# KiCad board CPU2908C3bak.kicad_pcb (continued)
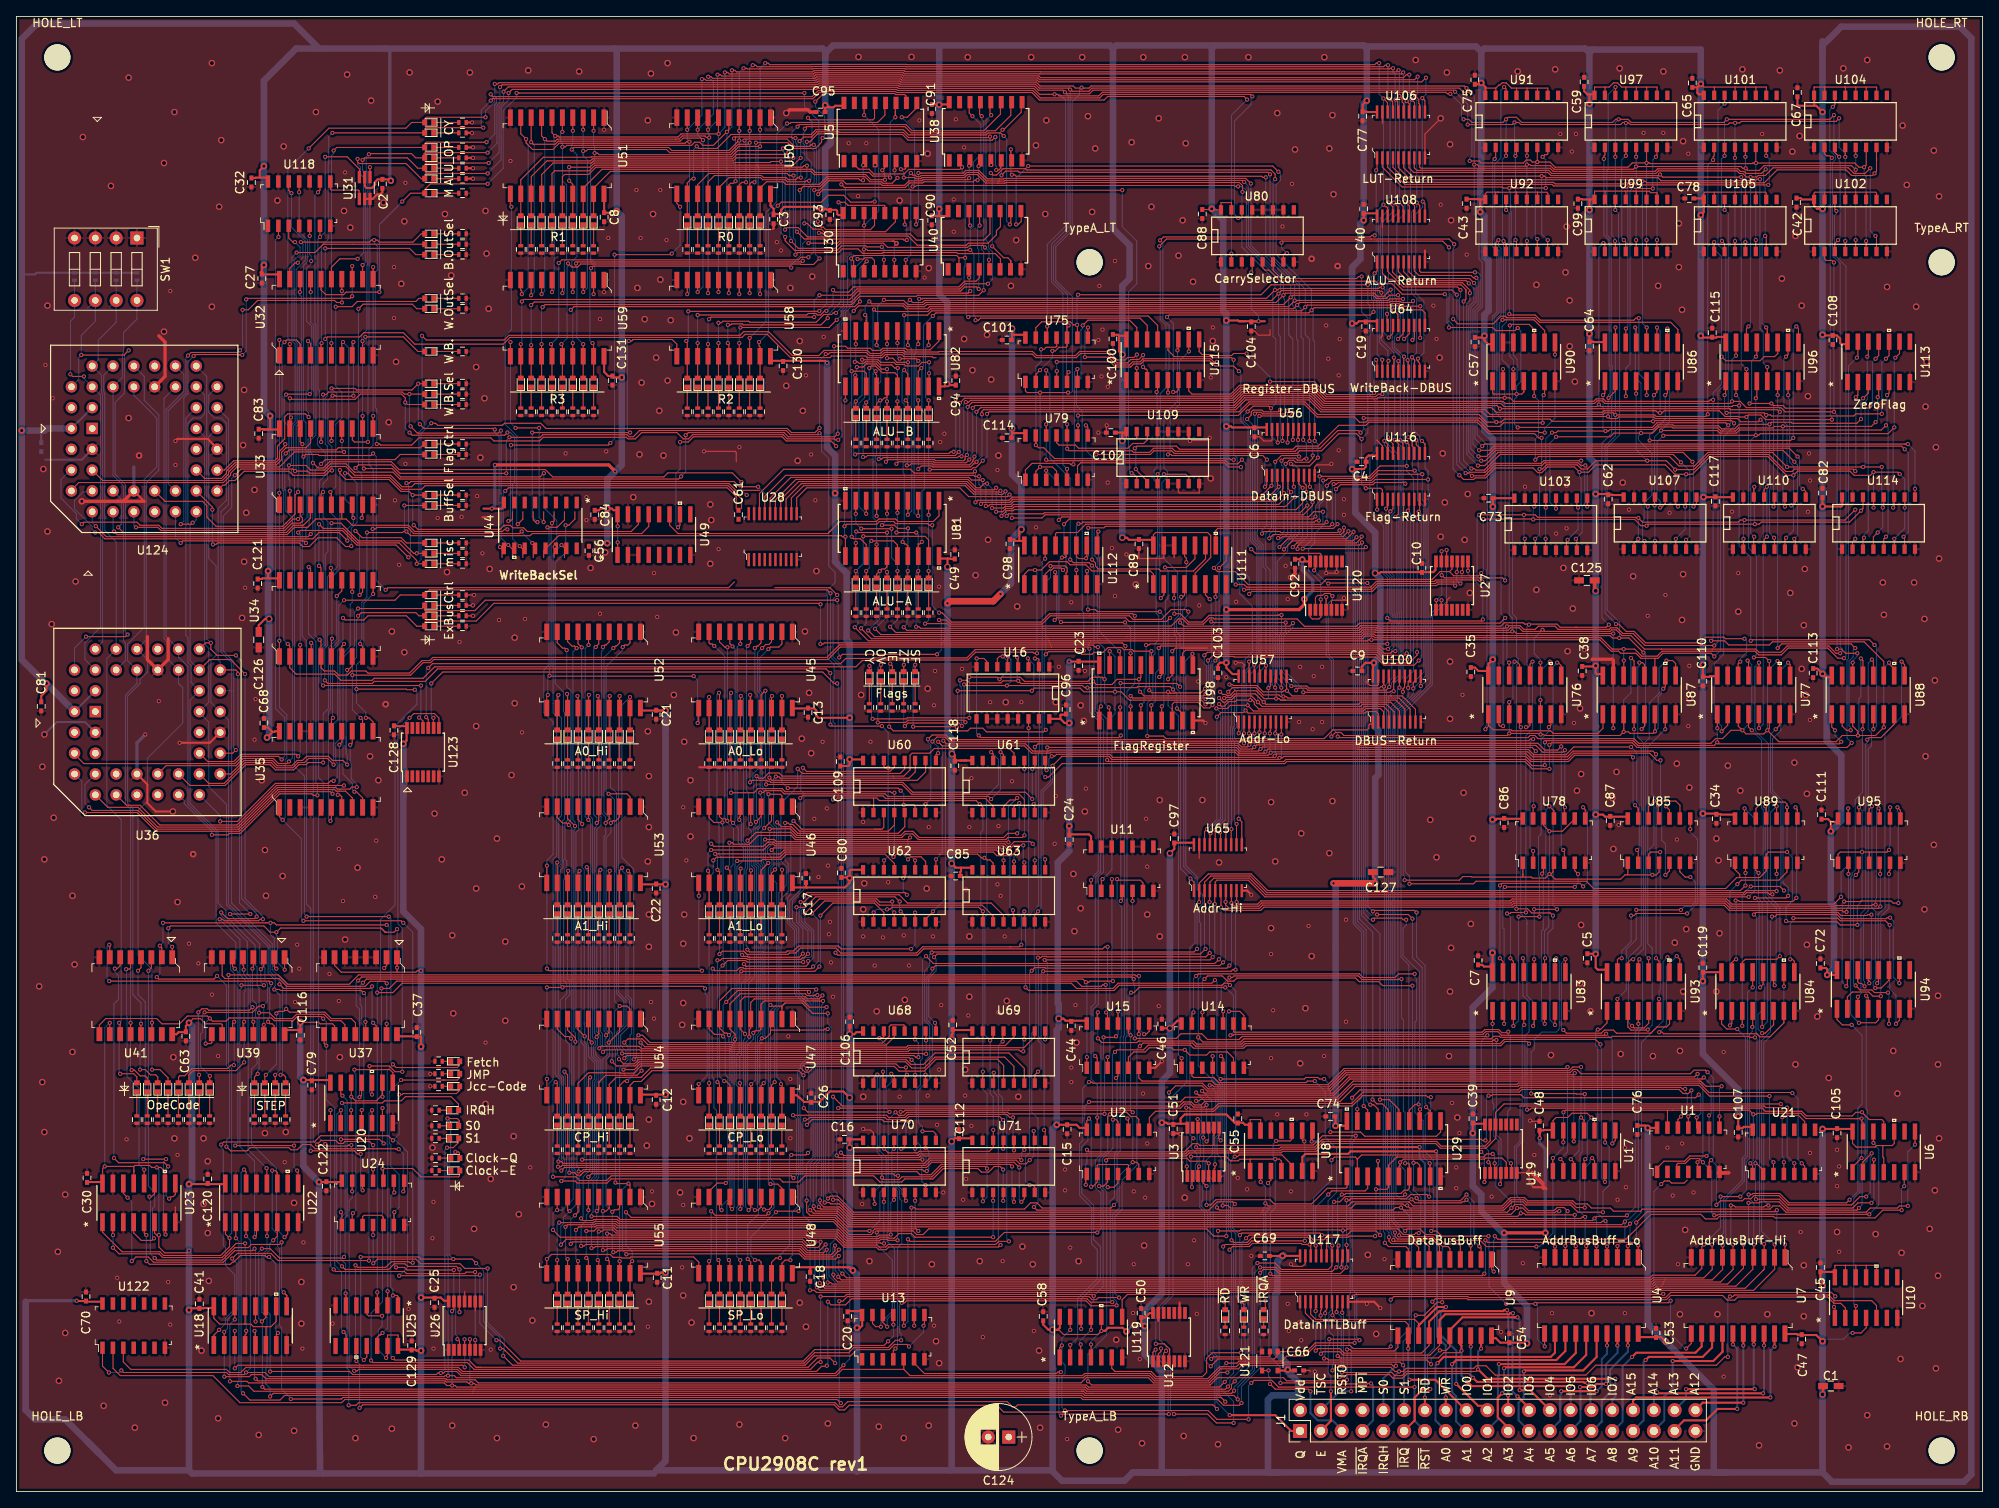
[diagram p0: board, top side]
## Routing (per net, layer and track width the routed paths; a pad name or vN(x,y) marks a point on that pad's centre or on a via; arc(x,y) is an arc through that point) (continued)
/Executer/WB_R0: length 60.8
  Top w0.127: 60.55,119.56 60.55,118.66 60.31,118.42 v1(60.06,118.42) ; v1(73.01,150.93) 79.87,150.93 v1(80,151.06) ; v1(60.38,127.69) 72.25,127.69 v1(72.5,127.94) ; v1(81.01,156.77) 80.61,157.17 80.61,157.92
  Bottom w0.127: v1(80,151.06) 81.01,152.07 v1(81.01,156.77) ; v1(60.38,127.69) 60.31,127.62 60.31,118.67 v1(60.06,118.42) ; v1(72.5,127.94) 73.01,128.45 v1(73.01,150.93)
/Executer/WB_R1: length 43.1
  Top w0.127: v1(60.42,156.77) 60.3,156.9 U51.11 ; 61.82,119.56 61.82,118.66 v1(61.2,118.04)
  Bottom w0.127: v1(60.42,156.77) 60.42,141.8 60.44,141.79 59.66,141.01 59.66,130.25 61.07,128.84 61.07,118.17 v1(61.2,118.04)
/Executer/WB_R2: length 43.9
  Top w0.127: v1(62.96,129.21) v1(74.92,129.21) ; v1(74.75,140.39) 75.1,140.39 75.23,140.52 75.23,140.58 80.05,140.58 80.61,140.01 U58.11 ; v1(63.61,118.29) 63.36,118.29 63.09,118.56 63.09,119.56
  Bottom w0.127: v1(74.92,129.21) 74.56,129.57 74.56,140.2 v1(74.75,140.39) ; v1(62.96,129.21) 62.96,118.94 v1(63.61,118.29)
/Executer/WB_R3: length 28.3
  Top w0.127: 64.36,119.56 v1(64.36,118.29) ; v1(60.31,140.26) 60.3,140.25 U59.11 ; v1(60.93,129.79) v1(63.81,129.79)
  Bottom w0.127: v1(60.31,140.26) 60.31,130.41 v1(60.93,129.79) ; v1(63.81,129.79) 63.81,118.84 v1(64.36,118.29)
/Executer/WB_SP: length 112.2
  Top w0.127: v1(66.53,115.5) 66.9,115.13 66.9,113.97 ; 83.3,26.72 83.3,28 82.66,28.63 75.03,28.63 74.9,28.5 73.88,28.5 73.8,28.59 72.83,28.59 72.48,28.94 65.32,28.94 v1(64.76,28.38) 64.74,28.36 U55.11
  Bottom w0.127: v1(64.76,28.38) 65.01,28.63 65.01,49.8 65.51,50.3 65.51,77.13 65.95,77.57 65.95,94.59 65.52,95.02 65.52,96.19 65.52,100.77 65.52,114.48 v1(66.53,115.5)
/Executer/WRO0: length 101.8
  Top w0.127: v1(185.14,91.82) 184.78,91.82 184.59,91.62 150.15,91.62 v1(149.83,91.3) 149.57,91.56 140.25,91.56 140.07,91.75 114.03,91.75 113.46,92.32 111.77,92.32 v1(111.26,91.8) ; U60.7 v1(110.97,83.88) ; v1(149.83,92.51) 149.83,93.65 ; v1(185.14,78.16) 185.14,76.76
  Bottom w0.127: v1(185.14,91.82) 184.75,91.44 184.75,78.54 v1(185.14,78.16) ; v1(110.97,83.88) 111.61,84.52 111.61,91.09 111.26,91.45 v1(111.26,91.8) ; v1(149.83,92.51) v1(149.83,91.3)
/Executer/WRO1: length 97.6
  Top w0.127: v1(188.57,90.93) 188.12,90.48 186.55,90.48 185.72,91.31 164.18,91.31 164.12,91.37 150.73,91.37 v1(150.5,91.14) 150.22,90.86 149.56,90.86 149.11,91.31 140.13,91.31 139.94,91.49 113.91,91.49 113.34,92.06 112.36,92.06 v1(111.82,91.52) ; 188.95,77.02 188.95,78.16 v1(188.82,78.29) ; 150.47,93.65 v1(150.47,92.51) ; v1(112.51,90.1) 112.43,90.1 112.24,89.91 U60.9
  Bottom w0.127: v1(112.51,90.1) 112.51,90.83 v1(111.82,91.52) ; v1(150.47,92.51) 150.47,91.17 v1(150.5,91.14) ; v1(188.82,78.29) 188.57,78.54 v1(188.57,90.93)
/Executer/WRO2: length 85.3
  Top w0.127: v1(124.18,83.88) 124.3,83.75 U61.7 ; U78.10 188.95,83.43 v1(189.01,83.49) 189.01,83.43 188.95,83.37 ; 151.12,93.64 v1(151.12,92.51) ; v1(124.32,90.86) 124.7,91.24 139.81,91.24 140,91.05 149.01,91.05 149.45,90.61 150.85,90.61 v1(151.1,90.86) 151.35,91.11 164.01,91.11 164.07,91.05 185.47,91.05 186.3,90.22 188.76,90.22 v1(189.01,90.47)
  Bottom w0.127: v1(151.1,90.86) 151.1,92.49 ; v1(124.18,83.88) 124.45,84.14 124.45,90.38 124.32,90.51 v1(124.32,90.86) ; v1(189.01,90.47) v1(189.01,83.49)
/Executer/WRO3: length 75.7
  Top w0.127: v1(185.46,90.35) 185.01,90.8 163.97,90.8 163.91,90.86 152.11,90.86 v1(151.86,90.61) 151.61,90.35 149.35,90.35 148.9,90.8 v1(125.84,90.8) ; v1(185.2,83.62) 185.14,83.56 U78.13 ; U61.9 125.57,88.2 v1(125.75,88.03) ; v1(151.74,92.64) 151.74,93.65
  Bottom w0.127: v1(125.84,90.8) 125.84,90.22 125.75,90.13 v1(125.75,88.03) ; v1(151.86,90.61) 151.74,90.73 v1(151.74,92.64) ; v1(185.2,83.62) 185.2,90.09 v1(185.46,90.35)
/Executer/WRO4: length 126.9
  Top w0.127: v1(152.37,92.51) 152.37,93.65 ; U62.7 110.97,69.84 111.87,70.75 v1(111.87,70.79) ; v1(113.14,91.62) 113.52,91.24 123.18,91.24 124.06,90.36 126.05,90.36 126.17,90.48 148.86,90.48 149.24,90.1 152.27,90.1 v1(152.46,90.28) 152.78,90.61 163.8,90.61 163.86,90.55 184.56,90.55 185.19,89.91 189.16,89.91 190.1,90.86 v1(197.09,90.86) ; U85.2 197.96,78.16 v1(197.84,78.29)
  Bottom w0.127: v1(113.14,91.62) 113.39,91.37 113.39,72.31 v1(111.87,70.79) ; v1(197.84,78.29) 198.09,78.54 198.09,83.9 197.78,84.2 197.78,90.17 v1(197.09,90.86) ; v1(152.46,90.28) 152.37,90.37 v1(152.37,92.51)
/Executer/WRO5: length 126.9
  Top w0.127: 201.77,77.02 201.77,75.73 v1(201.28,75.24) ; v1(112.51,91.5) 113.02,90.99 123.05,90.99 123.93,90.11 126.15,90.11 126.27,90.22 148.76,90.22 149.14,89.84 152.78,89.84 v1(153.1,90.16) 153.2,90.26 184.49,90.26 185.09,89.66 189.31,89.66 190,90.35 199.76,90.35 v1(200.14,89.97) ; U62.9 v1(112.24,77.14) ; U57.7 153.09,92.89 153,92.81 v1(153,92.51)
  Bottom w0.127: v1(112.24,77.14) 113.02,77.92 113.02,90.99 v1(112.51,91.5) ; v1(200.14,89.97) 200.14,89.62 199.63,89.11 199.63,85.14 200.83,83.94 200.83,79.49 201.28,79.04 v1(201.28,75.24) ; v1(153,92.51) 153,90.25 v1(153.1,90.16)
/Executer/WRO6: length 108.3
  Top w0.127: 201.77,82.22 201.77,83.18 v1(201.33,83.62) ; v1(126.37,89.72) 126.72,89.72 126.96,89.96 133.46,89.96 133.83,89.59 153.41,89.59 v1(153.59,89.78) 153.82,90 184.29,90 184.96,89.34 189.34,89.34 190.1,90.1 199.36,90.1 200.23,89.22 v1(200.68,89.22) ; 153.77,93.65 153.77,92.91 153.66,92.8 v1(153.66,92.51) ; v1(124.7,70.79) 124.3,70.4 U63.7
  Bottom w0.127: v1(201.33,83.62) 201.33,84.08 200.68,84.73 v1(200.68,89.22) ; v1(153.59,89.78) 153.66,89.84 v1(153.66,92.51) ; v1(124.7,70.79) 125.08,71.17 125.08,85.5 126.22,86.64 126.22,88.18 126.04,88.36 126.04,89.41 126.35,89.72
/Executer/WRO7: length 97.8
  Top w0.127: 197.96,83.22 197.96,83.37 v1(197.58,83.75) ; 197.96,83.22 U85.13 ; 197.96,83.22 197.96,82.93 ; U63.9 v1(125.57,77.14) ; v1(154.4,92.38) 154.4,93.65 ; v1(126.48,88.57) 127.61,89.71 133.35,89.71 133.73,89.34 153.98,89.34 v1(154.18,89.53) 154.53,89.53 154.72,89.72 184.22,89.72 184.85,89.08 189.45,89.08 190.21,89.84 197.07,89.84 v1(197.33,89.59)
  Bottom w0.127: v1(154.4,92.38) 154.4,89.76 v1(154.18,89.53) ; v1(125.57,77.14) 125.34,77.38 125.34,85.4 126.48,86.54 v1(126.48,88.57) ; v1(197.58,83.75) 197.33,84 v1(197.33,89.59)
/Executer/WRO8: length 128.7
  Top w0.127: U65.2 144.38,74.25 145.49,75.37 150.71,75.37 152.74,73.34 210.43,73.34 v1(211.05,73.95) ; v1(144.37,71.94) 144.37,73.33 ; v1(211.06,75.49) 211.06,76.87 211.04,76.89 ; U68.7 v1(110.97,50.86) ; v1(144.12,66.22) 143.73,65.84 111.79,65.84 v1(111.73,65.78)
  Bottom w0.127: v1(144.12,66.22) 144.12,71.68 v1(144.37,71.94) ; v1(110.97,50.86) 110.97,52.62 111.48,53.13 111.48,55.26 111.48,55.27 111.48,56.84 110.86,57.46 110.86,63.5 111.48,64.12 111.48,65.53 v1(111.73,65.78) ; v1(211.05,73.95) 211.05,75.48 v1(211.06,75.49)
/Executer/WRO9: length 125.5
  Top w0.127: v1(112,65.21) 112.38,65.59 144.51,65.59 v1(145.15,66.22) ; U65.3 145.03,74.36 145.78,75.11 150.61,75.11 152.64,73.08 210.83,73.08 211.08,73.33 214.79,73.33 ; v1(214.85,75.37) 214.85,76.38 ; v1(145.02,71.17) 145.02,73.06 145,73.08 ; 112.24,56.19 112.24,57.09 v1(112.13,57.21)
  Bottom w0.127: v1(112.13,57.21) 111.36,57.97 111.36,62.65 112.25,63.54 112.25,64.95 v1(112,65.21) ; v1(145.02,71.17) 145.02,66.35 v1(145.15,66.22) ; 214.87,75.35 214.87,73.28
  vias: v1(214.85,73.27)
/Executer/WRO10: length 128.8
  Top w0.127: v1(124.7,51.24) 124.3,50.84 U69.7 ; v1(145.64,71.94) 145.64,73.72 ; v1(124.68,65.15) 125.04,65.15 125.21,65.32 125.72,65.32 125.77,65.26 145.2,65.26 v1(145.66,65.71) ; 214.85,81.97 v1(214.85,83.62) ; v1(214.35,72.88) 213.99,72.88 213.79,73.08 211.19,73.08 210.93,72.83 152.51,72.83 150.48,74.86 146.16,74.86 145.68,74.38 U65.4
  Bottom w0.127: v1(124.7,51.24) 125.08,51.62 125.08,54.65 124.74,54.99 124.74,64.73 124.68,64.79 v1(124.68,65.15) ; v1(214.35,72.88) 214.1,73.13 214.1,82.86 v1(214.85,83.62) ; v1(145.64,71.94) 145.64,65.73 v1(145.66,65.71)
/Executer/WRO11: length 119.6
  Top w0.127: 125.57,56.19 v1(125.57,55.17) ; v1(211.44,72.57) 152.39,72.57 150.35,74.6 146.54,74.6 146.33,74.39 U65.5 ; v1(125.5,64.88) 145.69,64.88 v1(146.02,65.2) ; 211.04,81.84 210.93,81.95 v1(210.93,83.37) ; v1(146.27,71.68) 146.27,72.83
  Bottom w0.127: v1(211.44,72.57) 212.2,73.33 212.2,82.1 v1(210.93,83.37) ; v1(146.02,65.2) 146.27,65.46 v1(146.27,71.68) ; v1(125.5,64.88) 125.82,64.56 125.82,55.42 v1(125.57,55.17)
/Executer/WRO12: length 158.3
  Top w0.127: U70.7 v1(110.97,37.39) ; 223.63,76.5 v1(223.63,75.37) ; v1(146.78,64.95) 146.27,64.44 111.93,64.44 v1(111.04,65.33) ; 147.04,73.59 v1(147.04,71.3) 147.42,70.92 151.88,70.92 152.27,71.31 182.65,71.31 182.89,71.55 208.45,71.55 209.08,70.92 222.85,70.92 223.04,70.73 v1(223.39,70.73)
  Bottom w0.127: v1(146.78,64.95) 147.04,65.21 v1(147.04,71.3) ; v1(110.97,37.39) 110.51,37.85 110.51,39.7 111.04,40.23 111.04,40.76 110.35,41.46 110.35,42.22 109.84,42.73 109.84,49.08 110.35,49.59 110.35,52.62 110.6,52.87 110.6,64.9 v1(111.04,65.33) ; v1(223.63,75.37) 223.63,74.5 223.63,74.5 223.63,71.33 223.39,71.09 v1(223.39,70.73)
/Executer/WRO13: length 154.7
  Top w0.127: v1(110.6,43.96) 111.91,43.96 112.24,43.63 U70.9 ; 227.49,76.45 v1(227.49,75.37) ; v1(147.29,64.57) 146.9,64.18 112.19,64.18 v1(111.81,63.81) ; v1(227.52,71.39) 227.3,71.18 222.05,71.18 222.05,71.18 209.18,71.18 208.56,71.8 182.79,71.8 182.55,71.56 152.12,71.56 151.73,71.17 148.03,71.17 147.6,71.61 v1(147.6,71.96) 147.6,72.35 147.63,72.39 U65.7
  Bottom w0.127: v1(147.6,71.96) 147.6,64.88 v1(147.29,64.57) ; v1(227.52,71.39) 227.52,75.34 ; v1(111.81,63.81) 111.81,63.46 111.11,62.75 111.11,57.57 111.81,56.87 111.81,52.95 111.49,52.63 111.49,50.37 110.09,48.97 110.09,45.01 110.6,44.5 v1(110.6,43.96)
/Executer/WRO14: length 154.2
  Top w0.127: v1(227.3,83.37) 227.43,83.24 U95.10 ; v1(226.94,71.62) 226.58,71.62 226.46,71.5 222.02,71.5 221.94,71.43 209.29,71.43 208.66,72.06 182.68,72.06 182.44,71.82 152.01,71.82 151.62,71.43 148.69,71.43 v1(148.31,71.81) 148.31,73.21 ; v1(123.68,37.39) 124.06,37.39 124.3,37.16 U71.7 ; v1(123.92,63.56) 124.3,63.93 125.55,63.93 125.61,63.87 147.75,63.87 v1(148.07,64.19)
  Bottom w0.127: v1(123.92,63.56) 123.67,63.31 123.67,41.33 123.18,40.83 123.18,37.9 v1(123.68,37.39) ; v1(148.31,71.81) 148.31,64.43 v1(148.07,64.19) ; v1(226.94,71.62) 226.94,72.27 227.05,72.38 227.05,83.12 v1(227.3,83.37)
/Executer/WRO15: length 141
  Top w0.127: v1(125.45,44.12) 125.57,44 U71.9 ; v1(125.34,63.49) 148.27,63.49 148.46,63.68 v1(148.81,63.68) ; v1(223.59,83.37) 223.59,81.98 ; v1(222.73,72.57) 221.84,71.68 209.39,71.68 208.77,72.31 182.58,72.31 182.34,72.07 151.91,72.07 151.52,71.68 149.19,71.68 v1(148.94,71.94) 148.94,72.83
  Bottom w0.127: v1(222.73,72.57) 222.73,75.6 223.59,76.47 v1(223.59,83.37) ; v1(148.94,71.94) 148.81,71.81 v1(148.81,63.68) ; v1(125.45,44.12) 125.45,54.65 125.09,55.01 125.09,63.24 v1(125.34,63.49)
/IO0: length 30.2
  Top w0.127: 169.15,20.76 158.35,20.76 157.33,21.78 157.33,23.16 ; 169.15,20.76 169.28,20.76 ; 169.15,20.76 169.53,20.76 169.9,20.39 U9.12 ; 169.91,19.84 169.66,19.59
  Top w0.25: 177.02,9.83 173.21,13.64 v1(170.04,13.64) ; 169.9,18.85 v1(169.9,17.45)
  Bottom w0.25: v1(169.9,17.45) 169.9,13.79 v1(170.04,13.64)
/IO1: length 37.6
  Top w0.127: 171.48,20.59 171.39,20.5 171.17,20.5 ; 171.17,20.5 171.17,20.52 170.67,21.01 158.6,21.01 157.98,21.63 157.98,23.16 ; 171.17,20.5 171.22,20.45 171.34,20.45 ; 171.17,20.5 171.17,20.28 ; 157.96,22.28 157.96,23.04
  Top w0.25: U9.13 171.17,20.28 173.42,22.53 v1(174.48,22.53) ; v1(175.75,13.14) 178.42,10.47 179.55,10.47
  Bottom w0.25: v1(174.48,22.53) 173.85,21.9 173.85,19.1 175.75,17.2 v1(175.75,13.14)
/IO2: length 44.6
  Top w0.127: v1(158.59,17.2) 158.84,17.45 161.52,17.45 162.07,16.9 171.52,16.9 172.43,17.81 172.43,18.45 ; v1(158.59,22.03) 158.59,22.66
  Top w0.25: v1(182.09,11.74) 182.09,10.09 ; U9.14 172.44,20.74 173.72,22.03 181.49,22.03 181.61,22.14 v1(181.96,22.14)
  Bottom w0.127: v1(158.59,22.03) v1(158.59,17.2)
  Bottom w0.25: v1(182.09,11.74) 182.09,12.09 182.1,12.1 182.1,21.65 181.96,21.79 v1(181.96,22.14)
/IO3: length 45.4
  Top w0.127: 159.28,23.16 159.28,22.19 159.19,22.1 v1(159.19,21.49) ; v1(159.23,16.82) 159.48,17.07 161.53,17.07 161.96,16.65 172.53,16.65 173.72,17.84 173.72,18.34
  Top w0.25: 184.37,10.47 v1(183.23,11.61) ; U9.15 173.71,20.93 174.42,21.64 182.18,21.64 182.31,21.77 v1(182.66,21.77)
  Bottom w0.127: v1(159.23,16.82) 159.23,21.45
  Bottom w0.25: v1(182.66,21.77) 182.62,21.72 182.62,12.23 v1(183.23,11.61)
/IO4: length 48
  Top w0.127: v1(173.74,17.23) 174.52,17.23 174.98,17.69 U9.16 ; v1(159.75,21.77) 159.75,22.03 159.93,22.21 159.93,23.16 ; v1(159.62,16.24) 159.98,16.24 160.17,16.06 172.17,16.06 v1(172.68,15.54)
  Top w0.25: v1(183.23,21.26) 182.88,21.26 176.51,21.26 174.98,19.73 U9.16 ; v1(183.49,12.37) 184.77,12.37 186.79,10.35
  Bottom w0.127: v1(172.68,15.54) 172.68,16.17 v1(173.74,17.23) ; v1(159.62,16.24) 159.62,16.6 159.75,16.72 v1(159.75,21.77)
  Bottom w0.25: v1(183.23,21.26) 183.49,21.01 v1(183.49,12.37)
/IO5: length 44
  Top w0.127: 160.62,23.04 160.64,23.03 v1(160.64,21.52) ; v1(176.39,17.2) 176.14,16.95 174.21,16.95 173.58,16.32 161.53,16.32 v1(161.28,16.56)
  Top w0.25: U9.17 176.25,17.96 176.39,17.82 v1(176.39,17.2) ; 189.6,12.88 189.59,12.88 177.66,12.88 v1(177.15,13.39)
  Bottom w0.127: v1(161.28,16.56) 161.28,20.88 v1(160.64,21.52)
  Bottom w0.25: v1(177.15,13.39) 176.39,14.15 v1(176.39,17.2) ; v1(189.58,12.88) 189.58,11.88 189.72,11.74 189.72,9.96
/IO6: length 49.7
  Top w0.127: v1(177.79,13.9) 177.28,14.41 169.76,14.41 169.2,13.84 168.04,13.84 167.6,14.28 162.4,14.28 162.1,13.97 v1(161.5,13.97) ; v1(161.14,21.9) 161.14,22.66 161.13,22.66
  Top w0.25: v1(177.79,13.9) 178.3,13.38 191.28,13.38 191.4,13.26 v1(191.76,13.26) ; U9.18 v1(177.52,17.71)
  Bottom w0.127: v1(161.5,13.97) 161.28,14.2 161.28,14.97 161.72,15.41 161.72,21.32 v1(161.14,21.9)
  Bottom w0.25: v1(191.76,13.26) 192.12,12.9 192.12,12.52 ; 192.12,11.88 192.12,12.52 ; 192.12,12.52 192.12,10.1 ; v1(177.52,17.71) 177.52,14.17 v1(177.79,13.9)
/IO7: length 51.1
  Top w0.127: v1(178.42,14.91) 178.17,14.66 169.66,14.66 169.15,14.15 168.26,14.15 167.88,14.53 v1(161.78,14.53) ; 161.9,22.91 161.83,22.85 v1(161.83,21.84)
  Top w0.25: U9.19 v1(178.79,17.45) ; v1(178.42,14.91) 179.56,13.77 v1(195.17,13.77)
  Bottom w0.127: v1(161.78,14.53) 161.78,14.89 161.98,15.09 161.98,21.68 v1(161.83,21.84)
  Bottom w0.25: v1(178.79,17.45) 178.42,17.09 v1(178.42,14.91) ; v1(195.17,13.77) 195.19,13.75 195.19,11.61 194.8,11.23 194.8,9.96
/IRQH: length 139.7
  Top w0.127: U14.2 143.48,50.74 143.68,50.53 146.15,50.53 146.78,49.91 157.41,49.91 157.59,50.09 v1(158.48,50.09) ; v1(209.16,23.8) 209.51,23.8 209.7,23.99 221.21,23.99 221.9,23.3 226.46,23.3 227.05,22.71 U10.5 ; v1(208.9,16.44) 208.52,16.44 207.5,15.42 192.77,15.42 191.57,14.22 180.51,14.22 179.38,15.35 178.21,15.35 177.9,15.04 169.66,15.04 169.28,14.66 v1(168.77,14.66) 168.26,14.66 167.75,15.17 161.02,15.17 v1(160.64,14.79)
  Bottom w0.127: v1(208.9,16.44) 208.9,23.55 v1(209.16,23.8) ; v1(158.48,50.09) 159.75,48.82 159.75,43.25 161.15,41.85 161.15,36.51 160.12,35.48 160.12,29.88 160.51,29.49 160.51,22.13 160.2,21.82 160.2,19.55 160.77,18.98 160.77,15.55 160.64,15.42 v1(160.64,14.79)
  Bottom w0.25: v1(168.77,14.66) 168.13,14.03 168.13,8.69 J1.9
/Q: length 332.1
  Top w0.127: 101.19,114.74 v1(101.19,116.51) 100.84,116.51 100.71,116.64 66.19,116.64 64.36,114.81 64.36,113.97 ; 54.09,40.82 54.09,41.33 53.96,41.46 v1(53.58,41.46) ; v1(108.06,23.04) 108.42,23.04 108.65,23.28 130.56,23.28 131.16,22.67 134.25,22.67 v1(134.29,22.72) ; v1(56.12,27.87) 55.61,28.38 v1(53.33,28.38) 49.39,28.38 49.14,28.63 v1(42.02,28.63) ; U2.6 137,39.95 136.76,40.19 v1(136.26,40.19) ; v1(101.08,117.78) 101.33,118.04 105.02,118.04 105.34,118.37 107.08,118.37 107.33,118.11 111.23,118.11 111.44,117.91 v1(111.79,117.91) ; v1(107.99,18.47) 107.3,18.47 106.41,17.58 102.22,17.58 101.59,16.95 97.42,16.95 96.15,15.68 61.2,15.68 59.69,17.19 59.66,17.19 59.39,17.45 v1(59.04,17.45) ; v1(112.64,107.24) 112.99,107.24 114.13,106.1 125.08,106.1 126.1,107.12 129.65,107.12 ; U25.11 42.77,16.42 v1(42.4,16.06) ; v1(136.51,106.86) 136.26,107.12 131.07,107.12 129.65,107.12 ; 129.65,107.12 129.78,107.12 ; U82.11 v1(101.19,133.15)
  Bottom w0.127: v1(53.58,41.46) 52.82,40.69 52.82,28.88 v1(53.33,28.38) ; v1(101.19,116.51) 101.08,116.62 v1(101.08,117.78) 101.08,133.04 v1(101.19,133.15) ; v1(108.06,23.04) 107.81,22.78 107.81,19.44 107.99,19.25 v1(107.99,18.47) ; v1(42.4,16.06) 42.02,16.44 42.02,17.2 ; v1(42.02,28.63) 42.02,17.2 ; 42.02,17.2 42.02,16.82 ; 135.75,97.84 135.56,97.66 135.56,55.6 135.37,55.41 135.37,46.41 136.26,45.52 v1(136.26,40.19) 134.61,38.54 134.61,34.6 133.84,33.84 133.84,23.66 134.29,23.21 v1(134.29,22.72) ; 135.75,97.84 135.62,97.72 ; 135.75,97.84 136.51,98.61 v1(136.51,106.86) ; v1(111.79,117.91) 111.79,108.09 v1(112.64,107.24) ; v1(56.12,27.87) 57.01,26.98 57.01,20.77 59.04,18.74 v1(59.04,17.45)
/S0: length 321.3
  Top w0.127: v1(193.66,34.09) 190.61,34.09 189.73,34.98 184.27,34.98 183.89,35.36 182.56,35.36 181.55,34.34 169.32,34.34 v1(169.01,34.66) 168.32,34.66 168.01,34.34 152.15,34.34 152.15,34.35 146.84,34.35 v1(146.53,34.66) ; 52.64,14.15 53.45,14.15 53.71,13.9 130.23,13.9 130.48,14.15 138.3,14.15 138.93,13.52 145.51,13.52 146.97,14.98 149.15,14.98 149.55,15.38 154.63,15.38 154.8,15.55 167.82,15.55 168.03,15.34 v1(168.38,15.34) ; v1(11.29,14.53) 10.51,15.31 10.51,17.71 ; v1(12.81,14.79) 13.07,14.53 25.64,14.53 25.89,14.28 27.78,14.28 v1(28.04,14.53) 30.34,14.53 30.85,14.03 52.21,14.03 52.34,14.15 v1(52.69,14.15) ; U14.4 v1(146.02,53.14) ; U22.3 v1(28.04,31.17) ; v1(193.91,42.6) 193.91,43.73 193.9,43.74 ; 54.07,44.76 54.07,45.27 53.82,45.52 v1(52.62,45.52)
  Bottom w0.127: v1(28.04,31.17) 28.56,30.65 28.56,15.06 v1(28.04,14.53) ; v1(193.91,42.6) 194.42,42.1 194.42,37.39 193.66,36.63 v1(193.66,34.09) ; v1(169.01,34.66) 170.02,33.64 170.02,19.85 168.39,18.22 168.39,16.44 168.38,16.43 v1(168.38,15.34) ; v1(146.02,53.14) 146.02,50.55 146.92,49.65 146.92,43.44 146.55,43.07 146.55,41.2 147.05,40.69 147.05,35.54 146.53,35.01 v1(146.53,34.66) ; v1(11.29,14.53) 12.56,14.53 v1(12.81,14.79) ; v1(52.69,14.15) 52.69,28.65 52.56,28.78 52.56,40.8 53,41.24 53,45.14 v1(52.62,45.52)
  Bottom w0.25: v1(168.38,15.34) 166.85,13.81 J1.10
/S1: length 290.2
  Top w0.127: 192.63,39.11 192.63,40.4 v1(192.34,40.69) ; v1(191.44,34.66) 190.43,34.66 189.85,35.23 184.37,35.23 183.99,35.61 182.46,35.61 181.45,34.6 170.08,34.6 v1(169.77,34.91) 169.42,34.91 169.23,35.1 163.43,35.1 162.93,34.6 152.64,34.6 152.64,34.6 148.19,34.6 147.88,34.91 v1(147.24,34.91) ; 108.32,15.93 108.32,14.91 ; 108.32,14.91 100.82,14.91 100.06,14.15 54.24,14.15 53.73,14.66 52.34,14.66 52.16,14.47 v1(51.8,14.47) 51.45,14.47 51.27,14.29 41.03,14.29 40.66,14.66 v1(30.97,14.66) ; 108.32,14.91 109.08,14.15 130.12,14.15 130.37,14.41 138.41,14.41 139.04,13.77 145.4,13.77 146.87,15.24 148.9,15.24 149.34,15.68 154.57,15.68 154.69,15.8 168.88,15.8 v1(169.26,15.42) ; v1(31.35,30.66) 31.85,31.15 U22.6 ; v1(52.56,41.97) 53.33,41.97 53.94,42.58 53.94,42.98 ; U14.5 147.29,52.89 v1(147.04,53.14)
  Bottom w0.127: v1(51.8,14.47) 52.31,14.98 52.31,28.67 52.31,41.71 v1(52.56,41.97) ; v1(169.77,34.91) 170.28,34.4 170.28,19.34 169.26,18.33 v1(169.26,15.42) ; v1(30.97,14.66) 30.97,21.65 30.21,22.41 30.21,28.76 30.91,29.46 30.91,30.22 v1(31.35,30.66) ; v1(191.44,34.66) 191.44,39.49 192.09,40.14 192.09,40.44 v1(192.34,40.69) ; v1(147.24,34.91) 147.24,35.27 147.43,35.46 147.43,52.74 v1(147.04,53.14)
  Bottom w0.25: v1(169.26,15.42) 169.39,15.29 J1.12
/Sequencer/BROM/A0: length 102.8
  Top w0.127: U37.14 43.91,56.84 v1(43.55,57.21) ; v1(43.42,61.65) 43.17,61.4 32.62,61.4 v1(32.12,61.9) ; v1(32.24,50.85) 32.62,50.85 32.86,50.62 D148.2
  Bottom w0.127: v1(32.24,50.85) 32.49,51.1 32.49,61.53 v1(32.12,61.9) 32.12,62.28 30.97,63.43 30.97,66.62 25.9,71.69 25.9,94.15 U36.24 23.73,96.32 23.73,101.4 24.37,102.04 24.37,112.96 23.48,113.85 23.48,128.71 U124.24 ; v1(43.55,57.21) 43.55,57.33 43.42,57.46 v1(43.42,61.65)
/Sequencer/BROM/A1: length 101.5
  Top w0.127: v1(42.6,57.33) 42.64,57.29 U37.13 ; D149.2 v1(31.59,50.85) ; v1(31.48,61.27) 32.12,61.27 32.24,61.14 42.09,61.14 v1(42.4,60.83)
  Bottom w0.127: v1(42.6,57.33) 42.6,60.63 v1(42.4,60.83) ; 22.34,95.05 23.48,93.91 23.48,86.01 25.65,83.85 25.65,71.59 30.72,66.51 30.72,63.3 31.6,62.42 31.6,61.75 31.48,61.62 v1(31.48,61.27) 32.18,60.57 32.18,51.44 v1(31.59,50.85) ; U36.25 23.48,96.32 23.48,102.91 23.04,103.35 23.04,103.41 22.97,103.48 22.97,128.71 U124.25
/Sequencer/BROM/A2: length 100
  Top w0.127: v1(30.45,50.85) 30.32,50.73 D150.2 ; v1(31.74,58.35) 31.99,58.6 32.64,58.6 v1(32.93,58.89) 33.33,58.49 37.66,58.49 38.45,57.71 40.88,57.71 41.39,57.21 41.39,56.19
  Bottom w0.127: v1(32.93,58.89) 32.93,61.98 31.23,63.68 31.23,66.86 26.27,71.81 26.27,97.72 ; U124.26 25.89,130.87 25.89,120.45 24.98,119.53 24.98,102.45 26.27,101.15 26.27,97.72 ; 30.72,51.12 v1(30.45,50.85) 31.74,52.14 v1(31.74,58.35) ; 26.27,97.72 U36.26
/Sequencer/BROM/A3: length 100.5
  Top w0.127: D151.2 29.05,50.58 v1(29.45,50.98) ; v1(29.63,58.43) 30.88,58.43 31.59,57.71 33.66,57.71 34.19,58.24 37.56,58.24 38.34,57.46 39.61,57.46 40.1,56.97 40.1,55.82
  Bottom w0.127: v1(29.45,50.98) 29.45,51.34 29.63,51.51 v1(29.63,58.43) 29.63,61.47 29.39,61.71 29.39,64 29.13,64.25 29.13,66.67 25.57,70.23 25.57,70.85 24.62,71.8 24.62,80.55 21.2,83.98 21.2,96.58 U36.27 21.32,98.73 21.32,100.77 20.94,101.15 20.94,104.19 20.69,104.45 20.69,130.99 U124.27
/Sequencer/BROM/A4: length 105.2
  Top w0.127: v1(23.61,50.73) 23.61,49.97 ; U39.14 v1(30.2,56.95) ; v1(28.56,70.47) v1(26.08,70.47) ; U36.28 26.78,100.26 27.04,100 v1(27.04,99.75) ; v1(22.97,58.47) 28.81,58.47 29.58,59.24 v1(30.09,59.24)
  Bottom w0.127: U124.28 23.48,133.79 23.48,131.67 24.16,130.99 25.01,130.99 25.64,130.36 25.64,120.96 24.62,119.94 24.62,101.5 24.88,101.25 U36.28 ; v1(28.56,70.47) 27.22,71.81 27.22,90.69 27.04,90.88 v1(27.04,99.75) ; v1(30.2,56.95) 30.2,59.13 v1(30.09,59.24) 30.65,59.8 30.65,61.99 30.34,62.3 30.34,63.88 29.7,64.52 29.7,66.85 v1(26.08,70.47) ; v1(23.61,50.73) 22.47,51.87 22.47,55.83 22.72,56.09 22.72,58.23 v1(22.97,58.47)
/Sequencer/BROM/A5: length 110.2
  Top w0.127: U39.13 v1(28.93,57.33) ; v1(22.3,50.85) 22.32,50.83 D153.2 ; v1(29.32,70.16) 29.07,69.91 25.76,69.91 v1(25.01,70.67) ; v1(28.81,59.11) 28.43,58.73 23.48,58.73 23.29,58.92 22.66,58.92 v1(22.21,58.47) ; v1(26.78,102.04) 24.5,102.04 23.73,102.8 v1(23.73,103.56) 23.1,103.56 U36.29
  Bottom w0.127: v1(22.21,58.47) 22.21,50.94 v1(22.3,50.85) ; v1(23.73,103.56) 23.23,104.07 23.23,128.81 23.23,128.81 23.23,136.07 U124.29 ; v1(29.32,70.16) 29.32,70.51 27.48,72.36 27.48,101.34 v1(26.78,102.04) ; v1(25.01,70.67) 25.01,70.29 28.18,67.12 28.18,63.17 28.55,62.81 28.55,59.38 v1(28.81,59.11) 28.81,57.44 v1(28.93,57.33)
/Sequencer/BROM/A6: length 108.7
  Top w0.127: U39.12 27.66,57.19 v1(27.8,57.33) ; U36.30 23.04,100.96 23.04,100.96 23.62,101.53 26.14,101.53 v1(27.92,99.75) ; v1(24.81,69.84) 25.16,69.84 25.35,69.65 29.55,69.65 29.73,69.84 v1(30.09,69.84) ; v1(27.8,52.38) 26.79,51.37 21.58,51.37 21.05,50.84 21.05,49.97
  Bottom w0.127: v1(27.8,52.38) 27.8,52.38 v1(27.8,57.33) 27.8,60.89 27.91,61 27.91,62.43 27.28,63.05 27.28,67.36 v1(24.81,69.84) ; U124.30 22.97,133.79 22.97,131.5 22.47,130.99 21.55,130.99 20.94,130.38 20.94,118.15 21.2,117.89 21.2,101.4 U36.30 ; v1(27.92,99.75) 27.92,72.34 30.09,70.18 30.09,69.78
/Sequencer/BROM/A7: length 100.2
  Top w0.127: 19.8,49.97 19.8,50.6 19.93,50.74 20.55,50.74 21.44,51.62 25.77,51.62 25.89,51.74 25.89,51.74 26.18,52.03 v1(26.54,52.03) ; U39.11 26.39,57.13 v1(26.59,57.33)
  Bottom w0.127: v1(26.54,52.03) 26.59,52.08 v1(26.59,57.33) 26.59,63.24 26.15,63.68 26.15,64.44 26.78,65.08 26.78,66.98 24.37,69.4 24.37,80.45 20.94,83.88 20.94,100.67 19.8,101.81 U36.31 18.27,104.32 18.27,132.05 20.43,134.21 20.43,136.33 U124.31
/Sequencer/BROM/A8: length 92.5
  Top w0.127: v1(16.56,57.22) 16.56,56.39 16.48,56.32 ; 18.51,50.09 18.51,50.49 17.51,51.49 v1(16.56,51.49)
  Bottom w0.127: 16.56,54.47 16.56,58.15 ; 16.56,54.47 16.56,51.5 v1(16.56,51.49) ; 16.56,54.47 16.56,54.54 ; 16.56,58.15 16.56,63.75 14.84,65.46 14.84,83.11 15.99,84.26 15.99,89.46 20.31,93.78 20.31,98.1 19.8,98.61 U36.32 18.53,101.53 18.53,103.56 18.02,104.07 18.02,133.4 U124.32 ; 16.56,58.15 v1(16.56,57.22)
/Sequencer/BROM/A9: length 94.7
  Top w0.127: 15.21,56.06 v1(15.21,57.09) ; v1(15.1,51.49) 15.73,51.49 16.37,50.85 17,50.85 17.26,50.6 17.26,49.97
  Bottom w0.127: U124.35 15.61,136.07 15.61,133.15 17.38,131.37 17.38,124.64 15.86,123.12 15.86,103.94 U36.35 15.99,101.53 15.99,100 15.1,99.11 15.1,98.61 13.57,97.08 13.57,84 14.21,83.37 14.21,60.63 15.21,59.63 v1(15.21,57.09) 15.1,56.98 v1(15.1,51.49) 15.15,51.54
/Sequencer/BROM/A10: length 91.3
  Top w0.127: U41.12 v1(13.94,57.21) ; v1(14.07,51.42) 14.42,51.42 15.12,50.73 15.73,50.73 15.97,50.49 15.97,49.97
  Bottom w0.127: 14.72,100.13 14.72,98.61 13.32,97.21 13.32,83.9 13.94,83.28 v1(13.94,57.21) 13.94,51.55 v1(14.07,51.42) ; 14.34,134.68 14.34,133.79 17.13,130.99 17.13,125.02 15.61,123.5 15.61,105.47 13.57,103.43 13.57,101.4 U36.36
